# KiCad board CawDrive_panel.kicad_pcb (continued)
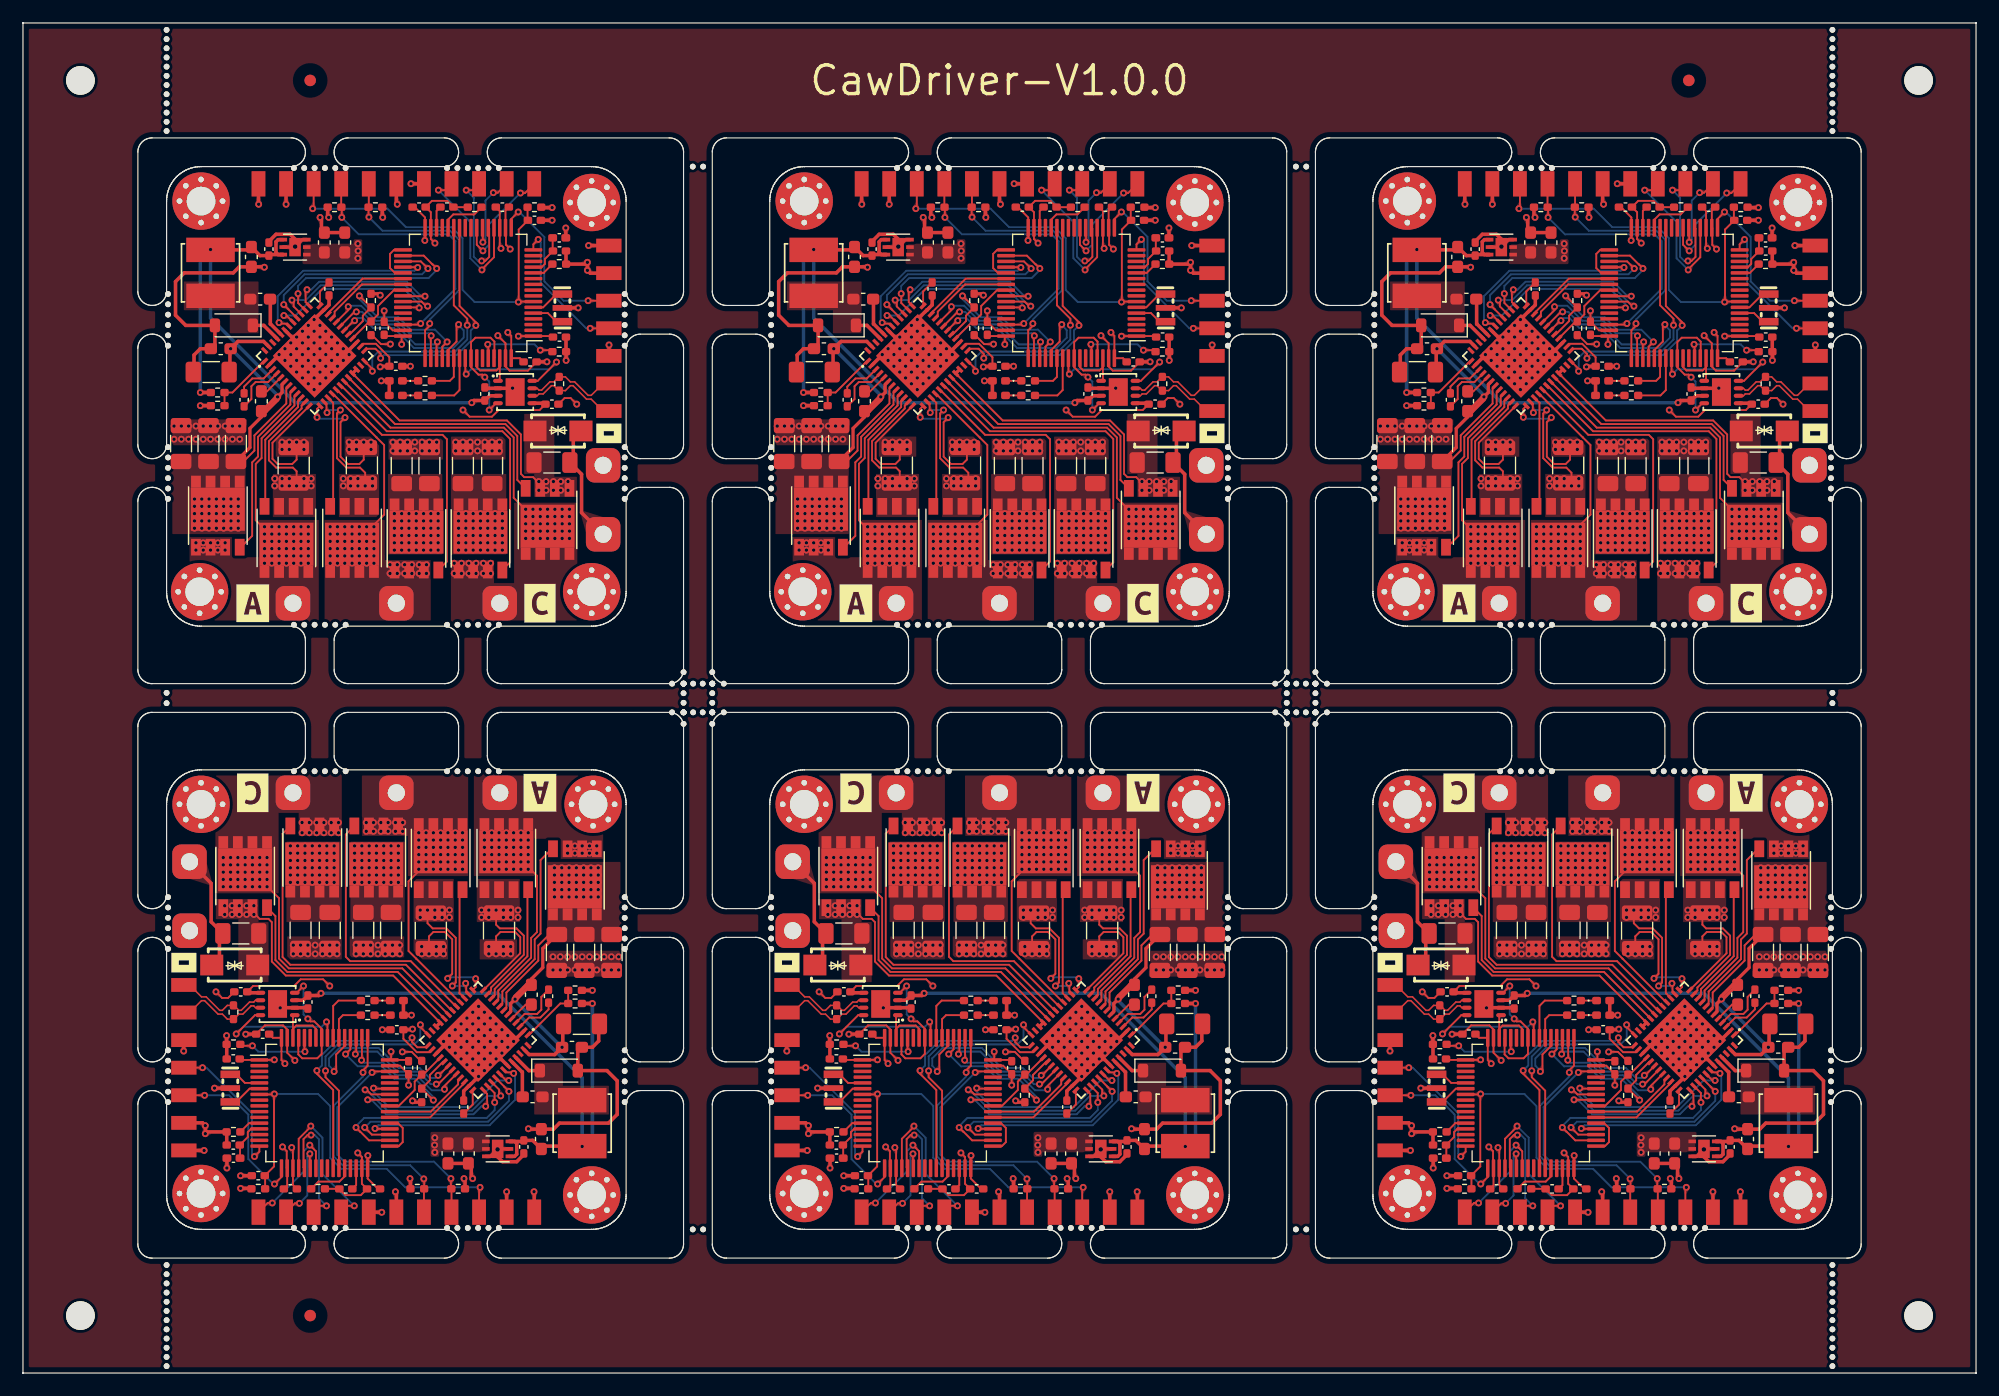
[diagram p0: board, top side]
## Routing (per net, layer and track width the routed paths; a pad name or vN(x,y) marks a point on that pad's centre or on a via; arc(x,y) is an arc through that point) (continued)
Board_3-+36V: length 42.7
  Top w0.16: 46.47,38.55 45.8,38.55 ; U5#5.7 42.08,31.8 42.08,33.12 44.85,35.89 44.85,37.21 45.81,38.17 C20#4.1
  Top w0.279: C20#4.1 45.25,36.95 45.25,35.29 44.25,34.29 C28.1 44.2,33.79 42.96,32.54 v1(42.83,32.54) 42.45,32.16 42.45,31.46 U5#5.6
  Top w0.305: v1(42.83,32.54) 42.83,32.8 43.82,33.79 44.2,33.79 ; 46.99,30.38 46.99,28.41 v1(46.92,28.35) 46.29,27.72 44.05,27.72 U5#5.47 ; H9.1 16.38,42.62 16.38,39.27 C29#3.1 17.1,37.96 17.1,36.18 TV1.1
  Bottom w0.305: v1(42.83,32.54) 42.83,32.42 46.9,28.35 v1(46.92,28.35)
  vias: v1(23.28,45.88) v1(23.28,45.24) v1(23.28,44.61) v1(23.28,43.97) v1(23.28,43.34) v1(23.28,42.7) v1(23.91,45.88) v1(23.91,45.24) v1(23.91,44.61) v1(23.91,43.97) v1(23.91,43.34) v1(23.91,42.7) v1(24.55,45.88) v1(24.55,45.24) v1(24.55,44.61) v1(24.55,43.97) v1(24.55,43.34) v1(24.55,42.7) v1(25.18,45.88) v1(25.18,45.24) v1(25.18,44.61) v1(25.18,43.97) v1(25.18,43.34) v1(25.18,42.7) v1(25.81,45.88) v1(25.81,45.24) v1(25.81,44.61) v1(25.81,43.97) v1(25.81,43.34) v1(25.81,42.7) v1(26.45,45.88) v1(26.45,45.24) v1(26.45,44.61) v1(26.45,43.97) v1(26.45,43.34) v1(26.45,42.7) v1(27.08,45.88) v1(27.08,45.24) v1(27.08,44.61) v1(27.08,43.97) v1(27.08,43.34) v1(27.08,42.7) v1(28.86,45.88) v1(28.86,45.24) v1(28.86,44.61) v1(28.86,43.97) v1(28.86,43.34) v1(28.86,42.7) v1(29.5,45.88) v1(29.5,45.24) v1(29.5,44.61) v1(29.5,43.97) v1(29.5,43.34) v1(29.5,42.7) v1(30.13,45.88) v1(30.13,45.24) v1(30.13,44.61) v1(30.13,43.97) v1(30.13,43.34) v1(30.13,42.7) v1(30.77,45.88) v1(30.77,45.24) v1(30.77,44.61) v1(30.77,43.97) v1(30.77,43.34) v1(30.77,42.7) v1(31.4,45.88) v1(31.4,45.24) v1(31.4,44.61) v1(31.4,43.97) v1(31.4,43.34) v1(31.4,42.7) v1(32.04,45.88) v1(32.04,45.24) v1(32.04,44.61) v1(32.04,43.97) v1(32.04,43.34) v1(32.04,42.7) v1(32.67,45.88) v1(32.67,45.24) v1(32.67,44.61) v1(32.67,43.97) v1(32.67,43.34) v1(32.67,42.7) v1(46.26,43.97) v1(46.26,43.34) v1(46.26,42.7) v1(46.26,42.07) v1(46.26,41.43) v1(46.9,43.97) v1(46.9,43.34) v1(46.9,42.7) v1(46.9,42.07) v1(46.9,41.43) v1(47.53,43.97) v1(47.53,43.34) v1(47.53,42.7) v1(47.53,42.07) v1(47.53,41.43) v1(48.17,43.97) v1(48.17,43.34) v1(48.17,42.7) v1(48.17,42.07) v1(48.17,41.43) v1(48.8,43.97) v1(48.8,43.34) v1(48.8,42.7) v1(48.8,42.07) v1(48.8,41.43) v1(49.44,43.97) v1(49.44,43.34) v1(49.44,42.7) v1(49.44,42.07) v1(49.44,41.43) v1(50.07,43.97) v1(50.07,43.34) v1(50.07,42.7) v1(50.07,42.07) v1(50.07,41.43)
Board_3-/ADC1_IN8: length 21.1
  Top w0.16: U1.26 27,24.63 25.58,26.05 v1(25.58,26.32) ; U5#5.25 35.1,28.35 34.32,28.35 33.87,28.81 v1(33.87,29.18)
  Bottom w0.16: v1(25.58,26.32) 26.02,26.76 26.02,27.68 27.25,28.91 33.6,28.91 v1(33.87,29.18)
Board_3-/ADC1_IN9: length 21.5
  Top w0.16: v1(34.59,30.31) 34.59,30.11 U5#5.24 ; U1.27 27.5,24.57 26.33,25.74 v1(26.33,26.3)
  Bottom w0.16: v1(34.59,30.31) 34.59,29.13 34.06,28.6 27.38,28.6 26.33,27.55 v1(26.33,26.3)
Board_3-/CAN_N: length 8.3
  Top w0.129: J4#2.7 14.5,33.77 15.54,32.74 15.95,32.74 17.12,31.57 17.35,31.57 17.79,32 R8#2.1 18.36,32 18.79,31.57 19,31.57 19.72,32.29 20.09,32.29 20.25,32.45 U3#5.6
Board_3-/CAN_P: length 8.3
  Top w0.129: J4#2.6 14.5,31.37 15.54,32.41 15.81,32.41 16.98,31.23 17.35,31.23 17.79,30.8 R8#2.2 18.36,30.8 18.79,31.23 19.14,31.23 19.86,31.95 20.09,31.95 20.25,31.8 U3#5.7
Board_3-/CAN_RX: length 11.6
  Top w0.16: v1(24.42,33.69) 23.83,33.1 U3#5.4 ; v1(24.8,30.83) 25.02,30.61 25.36,30.61 26,29.96 U1.57 26,27.78 25.62,27.39 24.3,27.39 23.96,27.73 23.96,29.14 U1.61
  Bottom w0.16: v1(24.8,30.83) 24.42,31.21 v1(24.42,33.69)
Board_3-/CAN_STB: length 12.5
  Top w0.16: v1(26.42,30.56) 26.5,30.48 U1.56 ; U3#5.8 20.2,31.15 v1(18.56,29.51)
  Bottom w0.16: v1(26.42,30.56) 26,30.14 19.19,30.14 v1(18.56,29.51)
Board_3-/CAN_TX: length 5.8
  Top w0.16: U3#5.1 23.5,30.99 U1.62 23.5,29.95 23.79,30.25 25.21,30.25 25.5,29.95 U1.58
Board_3-/DRV8323RSRGZR/CB: length 3.5
  Top w0.305: C15#5.1 43.47,24.06 43.47,26.19 43.45,26.19 U5#5.44
Board_3-/DRV8323RSRGZR/FB: length 5.8
  Top w0.16: R14#6.1 R13#4.2 46.77,32.16 44.05,29.44 U5#5.1
Board_3-/DRV8323RSRGZR/GHA: length 15.7
  Top w0.16: U5#5.8 41.73,32.15 41.73,33.21 44.54,36.02 44.54,37.73 45.05,38.24 45.05,44.64 46.03,45.62 Q7#6.4
Board_3-/DRV8323RSRGZR/GHB: length 23.1
  Top w0.16: U5#5.17 37.69,31.91 33.76,35.84 28.48,35.84 28.1,36.23 28.1,46.87 Q9.4
Board_3-/DRV8323RSRGZR/GHC: length 28.4
  Top w0.16: Q11#5.4 22.6,46.93 22.6,36.2 23.27,35.53 33.33,35.53 37.31,31.56 U5#5.18
Board_3-/DRV8323RSRGZR/GLA: length 10.8
  Top w0.16: U5#5.10 41.06,32.9 41.06,33.42 43.91,36.27 43.91,42 Q8#5.4
Board_3-/DRV8323RSRGZR/GLB: length 9.7
  Top w0.16: U5#5.15 38,33.06 38,41.81 Q10#4.4
Board_3-/DRV8323RSRGZR/GLC: length 21.7
  Top w0.16: U5#5.20 32.62,34.91 23.01,34.91 21.97,35.94 21.97,39.77 Q12#3.4
Board_3-/DRV8323RSRGZR/PHASA: length 17.5
  Top w0.16: 44.05,43.85 v1(43.98,43.85) 43.98,43.92 43.41,44.48 v1(43.34,44.48) 43.34,44.55 42.78,45.12 v1(42.71,45.12) 42.71,45.19 42.52,45.37 v1(42.07,45.12) 41.94,45.37 ; 42.2,45.69 v1(42.07,45.75) v1(42.07,46.39) 42.2,46.11 ; U5#5.9 41.37,32.5 41.37,33.29 44.23,36.15 44.23,37.86 44.74,38.37 44.74,43.28 44.17,43.85
  vias: v1(40.17,47.02) v1(40.17,46.39) v1(40.17,45.75) v1(40.17,45.12) v1(40.17,44.48) v1(40.17,43.85) v1(40.8,47.02) v1(40.8,46.39) v1(40.8,45.75) v1(40.8,45.12) v1(40.8,44.48) v1(40.8,43.85) v1(41.44,47.02) v1(41.44,46.39) v1(41.44,45.75) v1(41.44,45.12) v1(41.44,44.48) v1(41.44,43.85) v1(42.07,47.02) v1(42.07,44.48) v1(42.07,43.85) v1(42.71,47.02) v1(42.71,46.39) v1(42.71,45.75) v1(42.71,44.48) v1(42.71,43.85) v1(43.34,47.02) v1(43.34,46.39) v1(43.34,45.75) v1(43.34,45.12) v1(43.34,43.85) v1(43.98,47.02) v1(43.98,46.39) v1(43.98,45.75) v1(43.98,45.12) v1(43.98,44.48) v1(47.41,45.88) v1(47.41,45.24) v1(48.04,45.88) v1(48.04,45.24) v1(48.67,45.88) v1(48.67,45.24) v1(49.31,45.88) v1(49.31,45.24) v1(49.94,45.88) v1(49.94,45.24)
Board_3-/DRV8323RSRGZR/PHASB: length 17.5
  Top w0.16: Q10#4.9 v1(36.36,45.12) 36.14,45.37 35.88,45.12 v1(35.72,45.12) v1(35.72,44.48) v1(35.09,44.48) v1(35.09,43.85) v1(34.45,43.85) 34.45,43.68 33.56,42.79 33.56,36.73 34.23,36.07 34.23,36.07 38.03,32.27 U5#5.16
  vias: v1(29.88,47.91) v1(29.88,47.15) v1(30.51,47.91) v1(30.51,47.15) v1(31.15,47.91) v1(31.15,47.15) v1(31.78,47.91) v1(31.78,47.15) v1(32.42,47.91) v1(32.42,47.15) v1(33.05,47.91) v1(33.05,47.15) v1(34.45,47.02) v1(34.45,46.39) v1(34.45,45.75) v1(34.45,45.12) v1(34.45,44.48) v1(35.09,47.02) v1(35.09,46.39) v1(35.09,45.75) v1(35.09,45.12) v1(35.72,47.02) v1(35.72,46.39) v1(35.72,45.75) v1(35.72,43.85) v1(36.36,47.02) v1(36.36,46.39) v1(36.36,45.75) v1(36.36,44.48) v1(36.36,43.85) v1(36.99,47.02) v1(36.99,46.39) v1(36.99,45.75) v1(36.99,45.12) v1(36.99,44.48) v1(36.99,43.85) v1(37.63,47.02) v1(37.63,46.39) v1(37.63,45.75) v1(37.63,45.12) v1(37.63,44.48) v1(37.63,43.85) v1(38.26,47.02) v1(38.26,46.39) v1(38.26,45.75) v1(38.26,45.12) v1(38.26,44.48) v1(38.26,43.85)
Board_3-/DRV8323RSRGZR/PHASC: length 26.3
  Top w0.16: Q12#3.9 v1(19.34,43.59) 19.81,43.8 19.97,43.64 v1(19.97,43.59) 20.02,43.59 20.61,43 v1(20.61,42.96) 20.66,42.96 21.24,42.37 v1(21.24,42.32) 21.29,42.32 22.29,41.33 22.29,36.07 23.14,35.22 33.01,35.22 U5#5.19
  vias: v1(17.43,44.86) v1(17.43,44.23) v1(17.43,43.59) v1(17.43,42.96) v1(17.43,42.32) v1(18.07,44.86) v1(18.07,44.23) v1(18.07,43.59) v1(18.07,42.96) v1(18.07,42.32) v1(18.7,44.86) v1(18.7,44.23) v1(18.7,43.59) v1(18.7,42.96) v1(18.7,42.32) v1(19.34,44.86) v1(19.34,44.23) v1(19.34,42.96) v1(19.34,42.32) v1(19.97,44.86) v1(19.97,44.23) v1(19.97,42.96) v1(19.97,42.32) v1(20.61,44.86) v1(20.61,44.23) v1(20.61,43.59) v1(20.61,42.32) v1(21.24,44.86) v1(21.24,44.23) v1(21.24,43.59) v1(21.24,42.96) v1(24.29,47.91) v1(24.29,47.02) v1(24.93,47.91) v1(24.93,47.02) v1(25.56,47.91) v1(25.56,47.02) v1(26.2,47.91) v1(26.2,47.02) v1(26.83,47.91) v1(26.83,47.02) v1(27.47,47.91) v1(27.47,47.02)
Board_3-/DRV8323RSRGZR/SPA: length 11.2
  Top w0.16: 41.44,39.91 v1(41.18,40.29) R18#4.1 41.18,39.81 41.18,39.02 41.5,38.7 42.96,38.7 43.59,38.06 43.59,36.4 40.75,33.55 40.75,33.29 U5#5.11
  vias: v1(39.91,40.29) v1(39.91,39.66) v1(40.55,40.29) v1(40.55,39.66) v1(41.82,40.29) v1(41.82,39.66) v1(42.45,40.29) v1(42.45,39.66) v1(43.09,40.29) v1(43.09,39.66)
Board_3-/DRV8323RSRGZR/SPB: length 10.6
  Top w0.16: U5#5.14 38.58,33.19 38.58,33.87 v1(38.53,33.92) ; R19.1 35.21,39.76 35.21,39.15 35.66,38.7 36.85,38.7 37.67,37.88 37.67,33.99 v1(37.37,33.69)
  Bottom w0.16: v1(38.53,33.92) 38.3,33.69 v1(37.37,33.69)
  vias: v1(34.58,40.29) v1(34.58,39.66) v1(35.21,40.29) v1(35.85,40.29) v1(35.85,39.66) v1(36.48,40.29) v1(36.48,39.66) v1(37.12,40.29) v1(37.12,39.66)
Board_3-/DRV8323RSRGZR/SW: length 2.6
  Top w0.305: D3.1 44.04,26.32 42.91,27.45 U5#5.45
Board_3-/DRV_CAL: length 7.8
  Top w0.16: U5#5.34 38.44,25.25 35.44,22.25 U1.38
Board_3-/DRV_ENABLE: length 7.6
  Top w0.16: U1.39 35.5,22.75 37.87,25.13 37.87,25.47 U5#5.33
Board_3-/DRV_FAULT: length 6.6
  Top w0.16: U1.40 32.71,23.25 34.09,24.63 34.09,25.37 R17#4.2 34.85,25.98 U5#5.28
Board_3-/DRV_STA: length 5.4
  Top w0.16: R11#3.2 27.47,32.42 27,31.95 U1.55
Board_3-/HSE_IN: length 2.8
  Top w0.16: X1#4.1 18.57,26 19.32,25.25 U1.5
Board_3-/HSE_OUT: length 3
  Top w0.16: X1#4.3 18.57,23.6 19.73,24.75 U1.6
Board_3-/MCU_STA: length 3.7
  Top w0.16: R9#5.2 27.85,31.15 27.5,30.8 U1.54
Board_3-/RESET: length 36
  Top w0.16: v1(39.78,16.16) 39.7,16.08 J1#5.3 ; R10#6.2 21.08,17.15 C14#6.1 21.85,17.98 21.85,24.26 v1(21.88,24.29) 21.84,24.25 U1.7
  Bottom w0.16: v1(39.78,16.16) 33.28,16.16 31.67,17.77 27.7,17.77 26.74,18.73 26.74,23.24 25.69,24.29 v1(21.88,24.29)
Board_3-/SPI1_MISO: length 7.4
  Top w0.16: J1#5.10 23.67,14.77 v1(24.06,14.77) ; U1.22 24.97,17.86 v1(24.97,19.08)
  Bottom w0.16: v1(24.06,14.77) 24.75,15.46 24.75,18.86 v1(24.97,19.08)
Board_3-/SPI1_MOSI: length 10.1
  Top w0.16: U1.23 25.5,19.3 25.19,19.61 25.18,19.61 v1(24.96,19.83) ; J1#5.11 21.3,14.8 v1(21.7,14.8)
  Bottom w0.16: v1(24.96,19.83) 24.44,19.3 24.44,17.54 v1(21.7,14.8)
Board_3-/SPI1_NSS: length 14
  Top w0.16: v1(25.05,21.49) 25.05,21.44 24,20.38 U1.20 ; J1#5.8 28.25,14.55 v1(28.84,14.55)
  Bottom w0.16: v1(25.05,21.49) 26.07,20.48 26.07,17.32 v1(28.84,14.55)
Board_3-/SPI1_SCK: length 11.6
  Top w0.16: v1(26.42,14.55) 25.85,14.55 J1#5.9 ; v1(25.08,20.71) 24.77,20.71 24.42,20.36 24.42,17.91 U1.21
  Bottom w0.16: v1(26.42,14.55) 25.76,15.21 25.76,20.35 25.4,20.71 v1(25.08,20.71)
Board_3-/SPI3_MISO: length 15.7
  Top w0.16: U1.52 28.5,28.18 v1(28.08,27.76) ; v1(35.72,23.75) 35.71,23.75 R16#4.2 35.42,25.47 35.42,25.95 36.57,27.1 U5#5.29
  Bottom w0.16: v1(35.72,23.75) 35.72,24.03 34.14,25.61 32.32,25.61 31.24,26.69 29.14,26.69 v1(28.08,27.76)
Board_3-/SPI3_MOSI: length 16.9
  Top w0.16: U1.53 28,28.47 27.26,27.73 27.26,26.42 v1(27.08,26.24) ; v1(36.13,25.9) 36.19,25.9 U5#5.30
  Bottom w0.16: v1(27.08,26.24) 27.08,26.31 26.64,26.75 26.64,27.38 27.55,28.29 30.97,28.29 32.71,26.55 34.52,26.55 35.39,25.69 35.91,25.69 v1(36.13,25.9)
Board_3-/SPI3_NSS: length 12.1
  Top w0.16: v1(36.69,24.69) 36.69,24.99 U5#5.32 ; v1(29.47,27.22) 29.5,27.26 U1.50
  Bottom w0.16: v1(36.69,24.69) 36.61,24.61 35.58,24.61 34.27,25.92 32.45,25.92 31.37,27 29.69,27 v1(29.47,27.22)
Board_3-/SPI3_SCK: length 11.7
  Top w0.16: v1(28.93,27.76) 29,27.83 U1.51 ; U5#5.31 37.38,26.38 36.14,25.14 v1(35.98,25.14)
  Bottom w0.16: v1(28.93,27.76) 29.15,27.98 30.84,27.98 32.58,26.23 34.4,26.23 35.49,25.14 v1(35.98,25.14)
Board_3-/SWCLK: length 23.1
  Top w0.16: J1#5.5 34.9,16.01 R6#4.1 34.92,16.87 v1(34.89,16.9) ; U1.49 30,26.75 29.6,26.35 v1(29.6,26.16)
  Bottom w0.16: v1(34.89,16.9) 33.71,18.08 27.83,18.08 27.05,18.86 27.05,23.27 29.6,25.81 v1(29.6,26.16)
Board_3-/SWDIO: length 23.7
  Top w0.16: v1(30.39,26.16) 30.48,26.25 U1.46 ; J1#5.4 37.3,16.02 R5#2.1 37.25,16.07 v1(37.25,16.92)
  Bottom w0.16: v1(37.25,16.92) 35.78,18.39 27.96,18.39 27.36,18.99 27.36,23.14 v1(30.39,26.16)
Board_3-/TIM1_BKIN: length 3.8
  Top w0.16: U1.37 32.63,21.75 33.05,21.33 33.05,20.1 32.71,19.75 U1.33
Board_3-/TIM1_PWM_CH1: length 14.6
  Top w0.16: v1(40.28,23.21) 40.4,23.34 40.4,24.3 U5#5.37 ; U1.41 31.22,23.75 31.19,23.78 v1(30.01,23.78)
  Bottom w0.16: v1(40.28,23.21) 39.91,23.21 39.22,22.52 31.6,22.52 30.34,23.78 v1(30.01,23.78)
Board_3-/TIM1_PWM_CH1N: length 18.5
  Top w0.16: U5#5.38 40.45,24.97 41.05,24.37 41.05,23.56 v1(41.06,23.56) ; v1(28.99,21.37) 29.35,21.01 29.36,21.01 30.12,20.25 U1.34
  Bottom w0.16: v1(41.06,23.56) 41.06,22.89 40.38,22.21 29.7,22.21 28.99,21.49 v1(28.99,21.37)
Board_3-/TIM1_PWM_CH2: length 16.9
  Top w0.16: v1(41.58,24.12) 41.44,24.27 41.44,24.67 U5#5.39 ; v1(29.78,24.65) 29.91,24.65 30.31,24.25 U1.42
  Bottom w0.16: v1(41.58,24.12) 40.38,24.12 39.09,22.83 31.72,22.83 29.91,24.65 v1(29.78,24.65)
Board_3-/TIM1_PWM_CH2N: length 18.4
  Top w0.16: v1(29.75,21.37) 30.37,20.75 U1.35 ; v1(42.3,24.51) 41.89,24.92 41.89,24.93 U5#5.40
  Bottom w0.16: v1(42.3,24.51) 42.3,23.69 40.49,21.88 30.26,21.88 29.76,21.37 v1(29.75,21.37)
Board_3-/TIM1_PWM_CH3: length 16.1
  Top w0.16: v1(42.29,25.46) 42.07,25.46 U5#5.41 ; v1(30.51,24.8) 30.56,24.75 U1.43
  Bottom w0.16: v1(42.29,25.46) 41.27,25.46 38.96,23.14 31.85,23.14 30.51,24.48 v1(30.51,24.8)
Board_3-/TIM1_PWM_CH3N: length 17.9
  Top w0.16: U5#5.42 42.06,26.17 42.62,26.17 v1(42.71,26.08) ; v1(30.64,21.28) 30.85,21.28 30.89,21.25 U1.36
  Bottom w0.16: v1(42.71,26.08) 42.84,25.96 42.84,23.78 40.62,21.56 30.92,21.56 v1(30.64,21.28)
Board_3-/USART2_RX: length 15
  Top w0.16: J4#2.3 15.81,24.17 v1(15.81,24.17) ; U1.17 22.5,17.06 v1(21.89,16.45)
  Bottom w0.16: v1(21.89,16.45) 21.79,16.45 19.62,18.62 19.62,22.49 17.94,24.17 v1(15.81,24.17)
Board_3-/USART2_TX: length 12.5
  Top w0.16: U1.16 20.58,19.27 v1(20.15,18.84) ; v1(15.63,26.57) J4#2.4
  Bottom w0.16: v1(20.15,18.84) 19.93,19.06 19.93,22.62 15.98,26.57 v1(15.63,26.57)
Board_3-GND: length 125.8
  Top w0.16: C9#2.1 17.86,32.65 17.33,32.65 v1(16.8,33.18) ; v1(36.97,34.34) 37.36,34.74 37.36,37.75 36.72,38.39 35.72,38.39 35.34,38 35.34,37.11 R19.2 ; U5#5.13 39.4,33.58 v1(39.4,34.32) ; C3#5.2 23,16.32 U1.18 22.96,17.87 22.96,19.31 v1(22.59,19.68) ; v1(20.1,40.67) 20.1,40.03 20.6,39.53 21.37,39.53 21.66,39.24 21.66,35.81 22.88,34.6 32.22,34.6 U5#5.21 ; v1(23.67,27.21) 23,27.88 U1.63 23,29.9 22.64,30.26 21.06,30.26 C6#6.2 ; R18#4.2 41.18,37.22 41.18,38 41.56,38.39 42.83,38.39 43.28,37.94 43.28,36.53 U5#5.12 ; v1(33.56,25.05) C5#6.2 32.82,26.75 U1.47 ; v1(29.14,19.16) 29.5,18.8 U1.31 29.5,16.47 C4#2.2 29.4,15.48 28.08,15.48 C1#4.2 27.52,16.03 R3#5.2
  Top w0.279: C32#5.2 v1(31.28,29.88) ; U5#5.22 U5#5.21
  Top w0.305: C14#6.2 19.91,17.17 v1(18.94,17.17) ; v1(22.39,31.78) 22.4,31.8 U3#5.2 24.72,31.8 C12#6.1 ; v1(31.23,13.99) 31.22,14 J1#5.7 ; J4#2.2 15.63,21.77 v1(15.87,21.53) v1(15.87,20.83) 16.03,20.99 R2#6.2 17.73,20.98 C8#4.2 ; U5#5.49 v1(39.66,28.86) ; R14#6.2 v1(49.56,33.31) ; v1(42.71,28.86) 42.71,28.89 U5#5.2 ; U2#2.5 U2#2.7 41.32,18.82 41.74,18.39 42.97,18.39 43.59,19.01 C7#6.2 ; C6#6.2 19.39,29.5 v1(19.39,29.49) ; J4#2.5 13.99,28.96 v1(13.99,28.02) ; v1(39.14,16.92) 39.02,17.04 39.02,17.99 C34#3.2 C35#5.2 ; v1(16.67,24.8) 18.19,24.8 ; v1(39.66,25.81) 38.82,24.97 U5#5.35 38.36,24.54 C31#2.2 ; U5#5.43 41.6,27.34 v1(41.18,27.34) ; U2#2.3 40.7,18.86 v2(41.31,19.46) ; R6#4.2 33.73,16.88 v1(33.69,16.92) ; 50.11,30.38 50.11,28.9 49.56,28.35 C33#2.2 48.29,28 D3.2 50.83,26.32 51.72,25.43 51.72,22.51 50.96,21.75 46.7,21.75 46.17,21.22 C16#5.2 44.03,21.22 v1(43.99,21.26) ; U5#5.27 36.61,28.45 v1(36.61,28.86) ; v1(17.72,29.37) R1#4.1 17.73,28.6 C2#3.2 ; v1(42.1,15.78) J1#5.2
  In2.Cu w0.813: 44.5,32.5 44.5,36
  Bottom w0.16: v1(39.4,34.32) 39.28,34.45 37.07,34.45 v1(36.97,34.34)
  vias: v1(17.56,40.67) v1(17.56,39.91) v1(18.19,40.67) v1(18.19,39.91) v1(18.83,40.67) v1(18.83,39.91) v1(19.47,40.67) v1(19.47,39.91) v1(20.1,39.91) v1(23.53,37.24) v1(23.53,36.48) v1(24.16,37.24) v1(24.16,36.48) v1(24.8,37.24) v1(24.8,36.48) v1(25.43,37.24) v1(25.43,36.48) v1(26.07,37.24) v1(26.07,36.48) v1(26.7,37.24) v1(26.7,36.48) v1(27.34,37.24) v1(27.34,36.48) v1(28.99,37.24) v1(28.99,36.48) v1(29.62,37.24) v1(29.62,36.48) v1(30.26,37.24) v1(30.26,36.48) v1(30.89,37.24) v1(30.89,36.48) v1(31.53,37.24) v1(31.53,36.48) v1(32.17,37.24) v1(32.17,36.48) v1(32.8,37.24) v1(32.8,36.48) v1(34.7,37.11) v1(34.7,36.48) v1(35.34,36.48) v1(35.97,37.11) v1(35.97,36.48) v1(36.61,37.11) v1(36.61,36.48) v1(37.12,29.37) v1(37.12,28.35) v1(37.63,29.88) v1(37.63,28.86) v1(37.63,27.84) v1(38.13,30.38) v1(38.13,29.37) v1(38.13,28.35) v1(38.13,27.34) v1(38.64,30.89) v1(38.64,29.88) v1(38.64,28.86) v1(38.64,27.84) v1(38.64,26.83) v1(39.15,31.4) v1(39.15,30.38) v1(39.15,29.37) v1(39.15,28.35) v1(39.15,27.34) v1(39.15,26.32) v1(39.66,31.91) v1(39.66,30.89) v1(39.66,29.88) v1(39.66,27.84) v1(39.66,26.83) v1(40.17,31.4) v1(40.17,30.38) v1(40.17,29.37) v1(40.17,28.35) v1(40.17,27.34) v1(40.17,26.32) v1(40.55,37.11) v1(40.55,36.48) v1(40.67,30.89) v1(40.67,29.88) v1(40.67,28.86) v1(40.67,27.84) v1(40.67,26.83) v1(41.18,36.48) v1(41.18,30.38) v1(41.18,29.37) v1(41.18,28.35) v1(41.69,29.88) v1(41.69,28.86) v1(41.69,27.84) v1(41.82,37.11) v1(41.82,36.48) v1(42.2,29.37) v1(42.2,28.35) v1(42.45,37.11) v1(42.45,36.48) v1(46.14,36.23) v1(46.14,35.08) v1(46.77,36.23) v1(46.77,35.08) v1(47.41,36.23) v1(47.41,35.08) v1(48.04,36.23) v1(48.04,35.08) v1(48.67,36.23) v1(48.67,35.08) v1(49.31,36.23) v1(49.31,35.08) v1(49.94,36.23) v1(49.94,35.08) v1(50.58,36.23) v1(50.58,35.08) v1(51.22,36.23) v1(51.22,35.08) v1(51.85,36.23) v1(51.85,35.08)
Board_3-Net-(D1-K): length 1.4
  Top w0.16: D1#3.1 R9#5.1
Board_3-Net-(D2-K): length 1.4
  Top w0.16: D2#3.1 R11#3.1
Board_3-Net-(U1-BOOT0): length 7.1
  Top w0.16: R1#4.2 19.05,28.48 v1(19.97,28.48) ; U1.60 24.5,28.02 v1(24.55,27.97)
  Bottom w0.16: v1(19.97,28.48) 20.48,27.97 v1(24.55,27.97)
Board_3-Net-(U1-PB2): length 4.1
  Top w0.16: U1.28 28,17.12 27.54,16.66 25.72,16.66 R3#5.1
Board_3-Net-(U1-VCAP_1): length 1.9
  Top w0.16: C1#4.1 29,16.35 U1.30
Board_3-Net-(U1-VSSA): length 2
  Top w0.16: U1.12 19.68,21.75 R2#6.1
Board_3-Net-(U5-CPH): length 4.7
  Top w0.16: U5#5.4 43.65,31.25 44.75,31.25 45.12,31.62 45.12,32.73 C27#2.2
Board_3-Net-(U5-CPL): length 3.7
  Top w0.16: C27#2.1 45.75,31.65 45.04,30.94 44.05,30.94 U5#5.3
Board_3-Net-(U5-DVDD): length 2.4
  Top w0.16: U5#5.36 39.15,23.37 C31#2.1
Board_3-Net-(U5-VCP): length 2.2
  Top w0.16: C28.2 43.76,32.06 U5#5.5
Board_4-+3.3V: length 43
  Top w0.16: R17#2.1 87.12,27.17 86.34,27.95 v1(85.52,27.95) ; v1(75.3,26.93) 75,27.23 U1#6.64 74.25,29.17 C6#3.1 ; v1(82.52,18.93) 82.5,18.91 U1#6.32 82.5,16.93 83.41,16.02 C4#6.1 ; v1(79.2,33.69) 78.62,34.27 76.68,34.27 76.1,33.69 72.53,33.69 C9#3.2 ; C2#6.1 71.46,27.25 U1#6.1 74.37,27.25 v1(74.38,27.26) ; C32#4.1 85.61,29.09 86.78,27.92 87.88,27.92 U5.26 ; v1(84.54,27.97) 84.54,27.36 U1#6.48 85.95,27.25 C5.1 ; C3#4.1 76,16.37 U1#6.19 76,19.51 v1(75.89,19.62)
  Top w0.279: R16#2.1 86.53,23.56 v1(86.4,23.69) ; C32#4.1 86.36,29.88 v1(86.41,29.93)
  Top w0.305: C9#3.2 72.11,33.1 U3#6.5 ; v1(68.27,19.37) 68.27,19.37 J4#4.1 ; J1#3.1 97,15.76 v1(96.98,15.78) ; J1#3.6 85,15.7 v1(84.92,15.78) ; R10#5.1 72.35,16.07 v1(71.44,16.07) ; v1(90.89,16.92) 90.98,16.83 R5.2 ; L1#4.1 v1(70.25,17.84) ; D1#4.2 D2#4.2 ; v1(86.32,31.15) 85.57,31.15
  vias: v1(88.35,20.48) v1(88.33,19.84) v1(88.35,19.21)
Board_4-+3.3VA: length 3.7
  Top w0.16: L1#4.2 71.39,19.82 C8#2.1 72.07,20.54 72.07,20.97 72.35,21.25 U1#6.13
Board_4-+5V: length 57.2
  Top w0.305: R13.1 v1(102.06,32.16) ; U2.4 95.29,18.86 95.48,19.04 95.48,19.97 95.29,20.16 U2.6 96.01,20.16 C7#2.1 96.87,20.25 C16#3.1 97.87,19.75 L2#5.2 v1(101.18,19.72) ; v1(78.44,33.05) 78.25,32.86 C12#4.2 76.89,32.45 U3#6.3
  Bottom w0.305: v1(78.44,33.05) 93.81,33.05 101.18,25.69 v1(101.18,19.72) 102.06,20.61 v1(102.06,32.16)
Board_4-+36V: length 42.7
  Top w0.16: C20#6.1 98.31,38.17 97.35,37.21 97.35,35.89 94.58,33.12 94.58,31.8 U5.7 ; 98.97,38.55 98.3,38.55
  Top w0.279: C20#6.1 97.75,36.95 97.75,35.29 96.75,34.29 C28#4.1 96.7,33.79 95.46,32.54 v1(95.33,32.54) 94.95,32.16 94.95,31.46 U5.6
  Top w0.305: H9#3.1 68.88,42.62 68.88,39.27 C29.1 69.6,37.96 69.6,36.18 TV1#2.1 ; v1(95.33,32.54) 95.33,32.8 96.32,33.79 96.7,33.79 ; 99.49,30.38 99.49,28.41 v1(99.42,28.35) 98.79,27.72 96.55,27.72 U5.47
  Bottom w0.305: v1(99.42,28.35) 99.4,28.35 95.33,32.42 v1(95.33,32.54)
  vias: v1(75.78,45.88) v1(75.78,45.24) v1(75.78,44.61) v1(75.78,43.97) v1(75.78,43.34) v1(75.78,42.7) v1(76.41,45.88) v1(76.41,45.24) v1(76.41,44.61) v1(76.41,43.97) v1(76.41,43.34) v1(76.41,42.7) v1(77.04,45.88) v1(77.04,45.24) v1(77.04,44.61) v1(77.04,43.97) v1(77.04,43.34) v1(77.04,42.7) v1(77.68,45.88) v1(77.68,45.24) v1(77.68,44.61) v1(77.68,43.97) v1(77.68,43.34) v1(77.68,42.7) v1(78.31,45.88) v1(78.31,45.24) v1(78.31,44.61) v1(78.31,43.97) v1(78.31,43.34) v1(78.31,42.7) v1(78.95,45.88) v1(78.95,45.24) v1(78.95,44.61) v1(78.95,43.97) v1(78.95,43.34) v1(78.95,42.7) v1(79.59,45.88) v1(79.59,45.24) v1(79.59,44.61) v1(79.59,43.97) v1(79.59,43.34) v1(79.59,42.7) v1(81.36,45.88) v1(81.36,45.24) v1(81.36,44.61) v1(81.36,43.97) v1(81.36,43.34) v1(81.36,42.7) v1(82,45.88) v1(82,45.24) v1(82,44.61) v1(82,43.97) v1(82,43.34) v1(82,42.7) v1(82.63,45.88) v1(82.63,45.24) v1(82.63,44.61) v1(82.63,43.97) v1(82.63,43.34) v1(82.63,42.7) v1(83.27,45.88) v1(83.27,45.24) v1(83.27,44.61) v1(83.27,43.97) v1(83.27,43.34) v1(83.27,42.7) v1(83.9,45.88) v1(83.9,45.24) v1(83.9,44.61) v1(83.9,43.97) v1(83.9,43.34) v1(83.9,42.7) v1(84.54,45.88) v1(84.54,45.24) v1(84.54,44.61) v1(84.54,43.97) v1(84.54,43.34) v1(84.54,42.7) v1(85.17,45.88) v1(85.17,45.24) v1(85.17,44.61) v1(85.17,43.97) v1(85.17,43.34) v1(85.17,42.7) v1(98.76,43.97) v1(98.76,43.34) v1(98.76,42.7) v1(98.76,42.07) v1(98.76,41.43) v1(99.4,43.97) v1(99.4,43.34) v1(99.4,42.7) v1(99.4,42.07) v1(99.4,41.43) v1(100.03,43.97) v1(100.03,43.34) v1(100.03,42.7) v1(100.03,42.07) v1(100.03,41.43) v1(100.67,43.97) v1(100.67,43.34) v1(100.67,42.7) v1(100.67,42.07) v1(100.67,41.43) v1(101.3,43.97) v1(101.3,43.34) v1(101.3,42.7) v1(101.3,42.07) v1(101.3,41.43) v1(101.94,43.97) v1(101.94,43.34) v1(101.94,42.7) v1(101.94,42.07) v1(101.94,41.43) v1(102.57,43.97) v1(102.57,43.34) v1(102.57,42.7) v1(102.57,42.07) v1(102.57,41.43)
Board_4-/ADC1_IN8: length 21.1
  Top w0.16: U5.25 87.6,28.35 86.82,28.35 86.37,28.81 v1(86.37,29.18) ; U1#6.26 79.5,24.63 78.08,26.05 v1(78.08,26.32)
  Bottom w0.16: v1(86.37,29.18) 86.1,28.91 79.75,28.91 78.52,27.68 78.52,26.76 v1(78.08,26.32)
Board_4-/ADC1_IN9: length 21.5
  Top w0.16: U1#6.27 80,24.57 78.83,25.74 v1(78.83,26.3) ; U5.24 87.09,30.11 v1(87.09,30.31)
  Bottom w0.16: v1(78.83,26.3) 78.83,27.55 79.88,28.6 86.56,28.6 87.09,29.13 v1(87.09,30.31)
Board_4-/CAN_N: length 8.3
  Top w0.129: J4#4.7 67,33.77 68.04,32.74 68.45,32.74 69.62,31.57 69.85,31.57 70.29,32 R8#6.1 70.86,32 71.29,31.57 71.5,31.57 72.22,32.29 72.59,32.29 72.75,32.45 U3#6.6
Board_4-/CAN_P: length 8.3
  Top w0.129: J4#4.6 67,31.37 68.04,32.41 68.31,32.41 69.48,31.23 69.85,31.23 70.29,30.8 R8#6.2 70.86,30.8 71.29,31.23 71.64,31.23 72.36,31.95 72.59,31.95 72.75,31.8 U3#6.7
Board_4-/CAN_RX: length 11.6
  Top w0.16: U3#6.4 76.33,33.1 v1(76.92,33.69) ; U1#6.61 76.46,29.14 76.46,27.73 76.8,27.39 78.12,27.39 78.5,27.78 U1#6.57 78.5,29.96 77.86,30.61 77.52,30.61 v1(77.3,30.83)
  Bottom w0.16: v1(77.3,30.83) 76.92,31.21 v1(76.92,33.69)
Board_4-/CAN_STB: length 12.5
  Top w0.16: U3#6.8 72.7,31.15 v1(71.06,29.51) ; U1#6.56 79,30.48 v1(78.92,30.56)
  Bottom w0.16: v1(71.06,29.51) 71.69,30.14 78.5,30.14 v1(78.92,30.56)
Board_4-/CAN_TX: length 5.8
  Top w0.16: U1#6.58 78,29.95 77.71,30.25 76.29,30.25 76,29.95 U1#6.62 76,30.99 U3#6.1
Board_4-/DRV8323RSRGZR/CB: length 3.5
  Top w0.305: C15.1 95.97,24.06 95.97,26.19 95.95,26.19 U5.44
Board_4-/DRV8323RSRGZR/FB: length 5.8
  Top w0.16: U5.1 96.55,29.44 99.27,32.16 R13.2 R14#2.1
Board_4-/DRV8323RSRGZR/GHA: length 15.7
  Top w0.16: U5.8 94.23,32.15 94.23,33.21 97.04,36.02 97.04,37.73 97.55,38.24 97.55,44.64 98.53,45.62 Q7#4.4
Board_4-/DRV8323RSRGZR/GHB: length 23.1
  Top w0.16: U5.17 90.19,31.91 86.26,35.84 80.98,35.84 80.6,36.23 80.6,46.87 Q9#2.4
Board_4-/DRV8323RSRGZR/GHC: length 28.4
  Top w0.16: U5.18 89.81,31.56 85.83,35.53 75.77,35.53 75.1,36.2 75.1,46.93 Q11#3.4
Board_4-/DRV8323RSRGZR/GLA: length 10.8
  Top w0.16: U5.10 93.56,32.9 93.56,33.42 96.41,36.27 96.41,42 Q8.4
Board_4-/DRV8323RSRGZR/GLB: length 9.7
  Top w0.16: U5.15 90.5,33.06 90.5,41.81 Q10#6.4
Board_4-/DRV8323RSRGZR/GLC: length 21.7
  Top w0.16: Q12.4 74.47,39.77 74.47,35.94 75.51,34.91 85.12,34.91 U5.20
Board_4-/DRV8323RSRGZR/PHASA: length 17.5
  Top w0.16: 96.67,43.85 97.24,43.28 97.24,38.37 96.73,37.86 96.73,36.15 93.87,33.29 93.87,32.5 U5.9 ; 94.44,45.37 v1(94.57,45.12) 95.02,45.37 95.21,45.19 v1(95.21,45.12) 95.28,45.12 95.84,44.55 v1(95.84,44.48) 95.91,44.48 96.48,43.92 v1(96.48,43.85) 96.54,43.85 ; 94.7,45.69 v1(94.57,45.75) v1(94.57,46.39) 94.7,46.11